# Altium PCB PCB.PcbDoc (part 2 of 3)
Units mil, origin at the board's own origin, x right, y up, seen from the top; angles counter-clockwise.
Board outline 13351.32 x 5672.75 mil, 2 copper layers (Top Layer, Bottom Layer); 207 components, 228 nets, 1294 pads, 403 vias.
Unrouted connection lines stored in the file: 75.
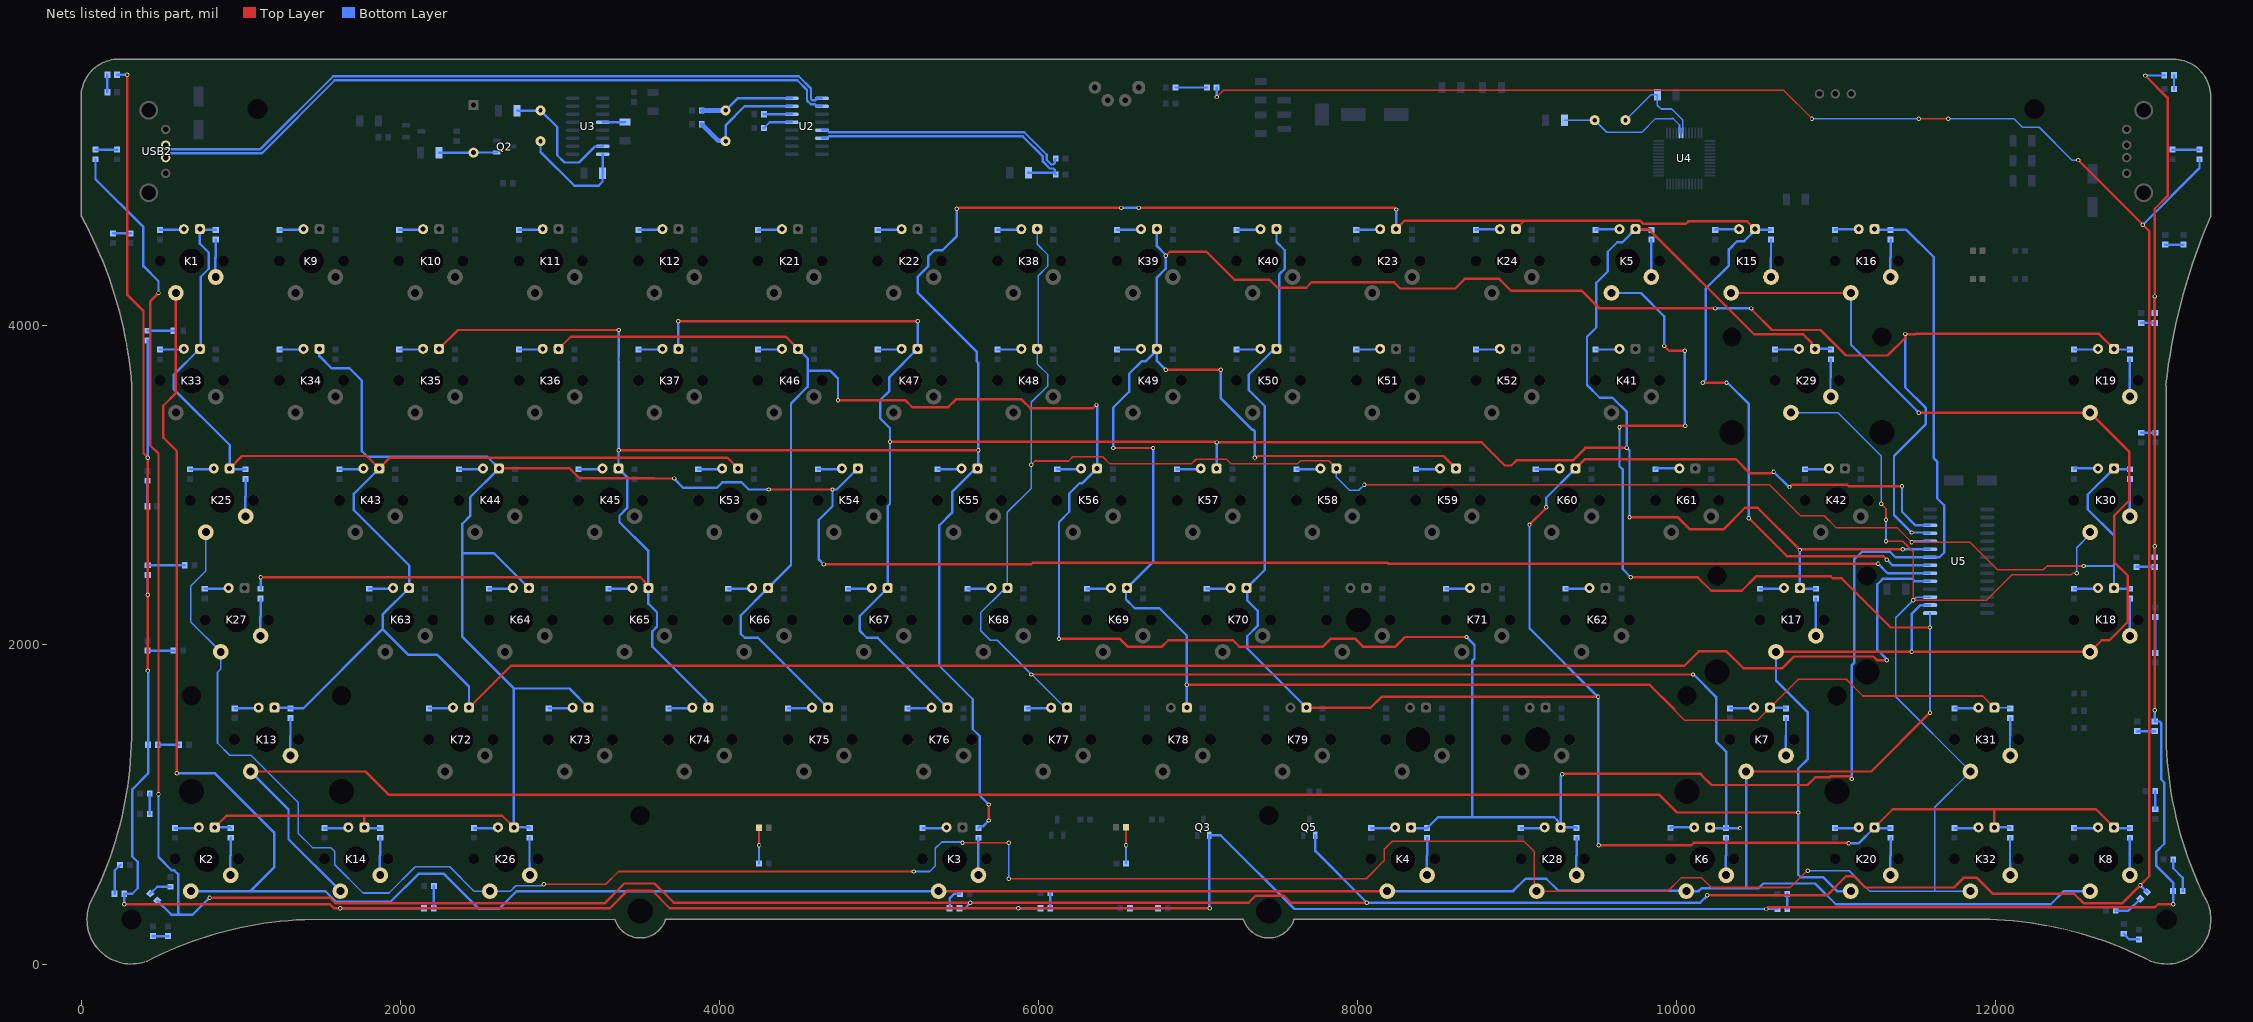
[diagram p2: the nets of this part, all layers, seen from the top]

## Via types
v1: diameter 27, hole 15, Top Layer to Bottom Layer, tented both sides, 230 vias
v2: diameter 27.56, hole 15.75, Top Layer to Bottom Layer, tented both sides, 163 vias
v3: diameter 50, hole 28, Top Layer to Bottom Layer, tented both sides, 10 vias

## Nets (pads, with @x,y where several pads share a name; then routed paths per layer and width w, separated by ;. In a path a pad name is that pad's centre, name@x,y a point inside that pad or via, vN(x,y) a via of type N, cw(c..) or ccw(c..) an arc to the next point about the centre after c; other vN are vias at no path point) (continued)
HUB2D_N: U2.1 USB2.2 | length 4421.3
  Bottom Layer w15: USB2.2@530,5133.74 533.94,5133.74 560.81,5106.87 1121.87,5106.87 1580,5565 4499.19,5565 4575.25,5488.94 4575.25,5423.31 4584.04,5414.53 4599.89,5414.53 4612.39,5427.03 U2.1@4644.49,5427.03
HUB2D_P: U2.2 USB2.3 | length 4421.3
  Bottom Layer w15: USB2.3@530,5055 533.94,5055 560.81,5081.87 1132.23,5081.87 1590.36,5540 4488.84,5540 4550.25,5478.59 4550.25,5412.96 4573.68,5389.53 4599.89,5389.53 4612.39,5377.03 U2.2@4644.49,5377.03
K1: K1.4 K2.4 K3.4 K4.4 K5.4 K6.4 K7.4 K8.4 U5.1 | length 23905.9
  Top Layer w15: K1.4@593.94,4206.94 593.94,3578.94 515,3500 515,3300 600,3215 v2(600,1195) ; K3.4@5375.13,456.96 K4.4@8187.69,456.96 ; v1(9643.95,3365) 9647.2,3365 9657.2,3375 v1(10055.59,3375) ; v1(9715,2425) 10133.95,2425 10218.95,2340 10410,2340 10500,2430 10968.25,2430 10980,2418.26 11036.75,2418.26 11345,2110 v1(11590,2110) ; v1(9925,3875) 9955,3845 v1(10053.64,3845) ; K7.4@10437.65,1206.96 11221.96,1206.96 v1(11590.87,1575.87)
  Bottom Layer w15: v2(600,1195) 840,1195 1210,825 1210,605 1061.96,456.96 ; K2.4@687.69,456.96 1061.96,456.96 ; K3.4@5375.13,456.96 2730.9,456.96 2618.94,345 2495,345 2275,565 2115,565 1940,390 1700,390 1699.75,390.25 1597.55,390.25 1530.84,456.96 1061.96,456.96 ; K4.4@8187.69,456.96 8976.96,456.96 9055,535 9185,535 9260,460 10059.65,460 K6.4@10062.69,456.96 10140.07,456.96 10158.11,475 10440,475 ; K5.4@9593.95,4206.94 9778.06,4206.94 9925,4060 v1(9925,3875) ; v1(9643.95,3365) 9643.95,3121.05 9665,3100 9665,2475 v1(9715,2425) ; v1(10053.64,3845) 10053.64,3376.96 v1(10055.59,3375) ; K7.4@10437.65,1206.96 10437.65,477.35 10440,475 ; v1(11590.87,1575.87) U5.1@11590.87,2200 ; K8.4@12593.95,456.96 12430,456.96 12348.04,375 11000,375 10870,505 10545,505 10515,475 10440,475
K2: K13.4 K14.4 K15.4 K16.4 K17.4 K18.4 K19.4 K20.4 U5.2 | length 19566.4
  Top Layer w15: K13.4@1062.69,1206.96 1783.04,1206.96 1930,1060 9895,1060 10005,950 v1(10765,950) ; K15.4@10343.95,4206.94 K16.4@11093.95,4206.94 ; K17.4@10625.17,1956.96 v1(11475,1956.96) K18.4@12593.95,1956.96 12666.99,2030 12715,2030 12830,2145 12830,2435 12745,2520 12745,2810 12840,2905 12840,3211.21 12831.21,3220 12830.91,3220 K19.4@12593.95,3456.96 v2(11520,3456.96)
  Bottom Layer w15: K13.4@1062.69,1206.96 1300,969.64 1300,782.15 K14.4@1625.19,456.96 ; K17.4@10625.17,1956.96 10625.17,1777.33 10825,1577.5 10825,1285 10765,1225 v1(10765,950) 10765,560 10780,545 10920,545 11008.04,456.96 K20.4@11093.95,456.96 ; K16.4@11093.95,4206.94 11095,4205.89 11095,3881.96 v2(11520,3456.96) ; v1(11475,1956.96) 11475,2195 11530,2250 U5.2@11590.87,2250
K3: K25.4 K26.4 K27.4 K28.4 K29.4 K30.4 K31.4 K32.4 U5.3 | length 19487.5
  Top Layer w10: v1(2900,500) 3288.94,500 3368.94,580 v1(5220,580) ; v1(5525,760) v1(5815,760) ; v1(5815,535) 8056.43,535 8170,648.57 8170,720 8220,770 9045,770 9110,705 9110,472.13 K28.4@9125.17,456.96 9946.96,456.96 10030,540 10160,540 10220,480 10715,480 10820,585 v1(10825,585) ; v1(11285,2885) 11315,2855 v1(11315,2785) ; v1(11315,2650) 11420,2650 11485,2585 v1(11485,2280) 11945,2280 12105,2440 12475,2440 12485,2450 v1(12510,2450)
  Bottom Layer w10: K25.4@781.44,2706.96 781.44,2463.75 687.69,2370 687.69,2144.46 K27.4@875.19,1956.96 875.19,1850.19 855,1830 855,1385 931.04,1308.96 1065,1308.96 1360,1013.96 1360,820 1450,730 1565,730 1590,705 1590,622.55 1767.55,445 1930,445 2095,610 2310,610 2463.04,456.96 K26.4@2562.69,456.96 2691.96,456.96 2725,490 2884.14,490 2890,495.86 2891.26,495.86 2895.4,500 v1(2900,500) ; v1(5220,580) 5320,580 5355,615 5355,725 5395,765 5520,765 v1(5525,760) ; v1(5815,535) v1(5815,760) ; K29.4@10718.95,3456.96 11013.04,3456.96 11285,3185 v1(11285,2885) ; v1(10825,585) 11085,585 11215,455 11620,455 ; v1(11315,2650) v1(11315,2785) ; U5.3@11590.87,2300 11505,2300 v1(11485,2280) 11375,2170 11375,1675.91 K31.4@11843.95,1206.96 11620,983 11620,455 ; K32.4@11843.95,456.96 11841.99,455 11620,455 ; v1(12510,2450) 12510,2610 12593.95,2693.95 K30.4@12593.95,2706.96
KEYBOARD_N: R11.2 U2.5 | length 1601.9
  Bottom Layer w15: U2.5@4644.49,5227.03 4676.58,5227.03 4689.08,5214.53 5912.83,5214.53 6053.88,5073.48 6053.88,5040.78 6082.16,5012.5 6094.59,5012.5 6103.37,5021.29 6103.37,5043.69 R11.2@6109.68,5050
KEYBOARD_P: R9.1 R10.2 U2.6 | length 1768.1
  Bottom Layer w15: U2.6@4644.49,5177.03 4676.58,5177.03 4689.08,5189.53 5902.48,5189.53 6028.88,5063.13 6028.88,5030.43 6071.8,4987.5 6094.59,4987.5 6103.37,4978.71 R10.2@6103.37,4956.31 ; R9.1@5938.66,4960 6099.68,4960 R10.2@6103.37,4956.31 ; R10.2@6109.68,4950 R10.2@6103.37,4956.31
KS1: K1.1 K1.3 K13.1 K13.3 K25.1 K25.3 K33.1 K43.1 K53.1 K63.1 K72.1 U5.5 | length 18236.5
  Top Layer w15: K25.1@931.44,3106.96 1009.48,3185 1790.89,3185 K43.1@1868.94,3106.96 1936.98,3175 4050.89,3175 K53.1@4118.94,3106.96 ; K72.1@2431.44,1606.96 2694.48,1870 10050.55,1870 10140.55,1960 10315,1960 10420,1855 10665,1855 10737.96,1927.96 11234.94,1927.96 11257.89,1905 v1(11320,1905)
  Bottom Layer w15: K1.3@843.93,4602.26 748.62,4602.26 K1.1@743.94,4606.94 743.94,4516.06 800,4460 800,4358.94 750,4308.94 750,3863.02 K33.1@743.94,3856.96 579.37,3692.39 579.37,3605.63 931.44,3253.56 K25.1@931.44,3106.96 936.12,3102.27 K25.3@1031.43,3102.27 ; K13.1@1212.69,1606.96 1308,1606.96 K13.3@1312.68,1602.27 1392.27,1602.27 1890,2100 ; K43.1@1868.94,3106.96 1710,2948.02 1710,2845 2056.44,2498.56 K63.1@2056.44,2356.96 1890,2190.52 1890,2100 ; K72.1@2431.44,1606.96 2431.44,1740 2231.44,1940 2050,1940 1890,2100 ; v1(11320,1905) 11320,1908.25 11314,1914.25 11314,1916 11260,1970 11260,2380 11295,2415 11480,2415 11495,2400 U5.5@11590.87,2400
KS2: K2.1 K2.3 K14.1 K14.3 K26.1 K26.3 K34.1 K44.1 K54.1 K64.1 K73.1 U5.6 | length 17419.7
  Top Layer w15: K2.1@837.69,856.96 910.73,930 1775,930 ; K14.1@1770.72,856.96 K14.1@1775.19,856.96 1775.19,929.81 1775,930 ; K44.1@2618.94,3106.96 3063.04,3106.96 3125,3045 3592.76,3045 3593.72,3044.04 v2(3719.04,3044.04) ; K26.1@2712.69,856.96 2639.65,930 1775,930 ; v1(4310.31,2975) v1(4710,2975) ; v1(4655,2505) 5955,2505 5966,2516 8188.84,2516 8194.84,2510 v1(11265,2510)
  Bottom Layer w15: K2.1@837.69,856.96 933,856.96 K2.3@937.68,852.28 ; K34.1@1493.94,3856.96 1493.94,3811.06 1570,3735 1681.96,3735 1760,3656.96 1760,3215 1795,3180 2545.89,3180 K44.1@2618.94,3106.96 2438.49,2926.51 2438.49,2808.49 2390,2760 2390,2575 ; K14.1@1775.19,856.96 1779.87,852.28 K14.3@1875.18,852.28 ; K64.1@2806.44,2356.96 2588.39,2575 2390,2575 ; K26.3@2812.69,852.28 2808,856.96 K26.1@2712.69,856.96 2712.69,1727.31 ; K73.1@3181.44,1606.96 3061.08,1727.31 2712.69,1727.31 ; v2(3719.04,3044.04) 3719.04,3040.96 3775,2985 3985,2985 4020,3020 4140,3020 4185,2975 v1(4310.31,2975) ; v1(4655,2505) 4625,2535 4625,2785 4710,2870 v1(4710,2975) 4736.99,2975 K54.1@4868.95,3106.96 ; v1(11265,2510) 11325,2450 U5.6@11590.87,2450 ; 2390,2575 2390,2050 2712.69,1727.31
KS3: K3.3 K15.1 K15.3 K23.1 K24.1 K27.3 K35.1 K45.1 K55.1 K65.1 K74.1 U5.7 | length 21897.4
  Top Layer w15: v1(1125,2425) 3505.13,2425 3537.53,2392.6 3537.53,2375.86 K65.1@3556.44,2356.96 ; K35.1@2243.94,3856.96 2361.98,3975 v1(3370,3975) ; v1(3370,3220) v1(5625,3220) ; v1(5490,4735) 5492.3,4737.3 5500.78,4737.3 5503.49,4740 v1(6520,4740) ; v1(5690,900) v1(5690,1000) ; v1(6630,4740) 8231.75,4740 8241.75,4730 v1(8245,4730) ; K23.1@8243.95,4606.94 8297.01,4660 9047.01,4660 ; K24.1@8993.95,4606.94 9047.01,4660 ; v1(10165,3645) v1(10315,3645) ; v1(10455,2795) 10455,2794.14 10693.07,2556.06 11298.94,2556.06 v1(11320,2535) ; K15.1@10493.95,4606.94 10444.95,4655.94 10075.63,4655.94 10059.69,4640 9795,4640 9775,4660 9047.01,4660
  Bottom Layer w15: v1(1125,2425) 1125,2352.46 K27.3@1125.18,2352.27 ; v1(3370,3975) 3370,3807.16 3368.72,3805.88 3368.72,3778.69 3370,3777.41 v1(3370,3220) 3368.94,3218.94 K45.1@3368.94,3106.96 3422.95,3052.95 3422.95,2857.95 3375,2810 3375,2770 3556.44,2588.56 K65.1@3556.44,2356.96 3556.44,2258.56 3610,2205 3610,2115 3580,2085 3580,1990 3919.45,1650.55 3919.45,1618.95 K74.1@3931.44,1606.96 ; v1(5490,4735) 5490,4565 5400,4475 5350,4475 5310,4435 5310,4373.57 5243.87,4307.44 5243.87,4210 5613.72,3840.15 5613.72,3778.69 5625,3767.41 v1(5625,3220) 5625,3113.01 K55.1@5618.95,3106.96 5600.05,3088.05 5588.05,3088.05 5460,2960 5460,2830 5380,2750 5380,1870 5590,1660 5590,1471.93 5633.43,1428.49 5633.43,1056.57 v1(5690,1000) ; K3.3@5625.13,852.28 5635.94,863.08 5653.08,863.08 v1(5690,900) ; v1(6520,4740) v1(6630,4740) ; K23.1@8243.95,4606.94 8245,4607.99 v1(8245,4730) ; v1(10165,3645) 10185,3665 10185,4235 10330,4380 10330,4480 10380.82,4530.82 10425,4530.82 10469.95,4575.78 10469.95,4578.48 10493.95,4602.48 K15.1@10493.95,4606.94 10498.63,4602.26 K15.3@10593.95,4602.26 ; v1(10315,3645) 10318.25,3645 10324.25,3639 10326,3639 10455,3510 v1(10455,2795) ; v1(11320,2535) 11355,2500 U5.7@11590.87,2500
KS4: K4.1 K4.3 K16.1 K16.3 K28.1 K28.3 K36.1 K46.1 K56.1 K66.1 K75.1 U5.8 | length 19371.8
  Top Layer w15: K36.1@2993.94,3856.96 3068.94,3931.96 4418.88,3931.96 K46.1@4493.88,3856.96 ; v1(4745,3535) 5165,3535 5210,3490 5435,3490 5485,3540 5895,3540 5950,3485 6345,3485 v1(6365,3505) ; v1(6130,2040) 6510,2040 6560,1990 6775,1990 6815,2030 7220,2030 7260,1990 7785,1990 7835,2040 7985,2040 8035,1990 8240,1990 8300,2050 v1(8685,2050) ; v1(9285,1190) 9288.25,1190 9292.12,1193.88 10151.21,1193.88 10160,1185.09 10160,1182 10220,1122 10823.52,1122 10871.51,1170 10959.93,1170 10967.89,1177.96 11082.04,1177.96 v1(11100,1160)
  Bottom Layer w15: K46.1@4493.88,3856.96 4555,3795.84 4555,3720 ; K75.1@4681.44,1606.96 4243.39,2045 4160,2045 4135,2070 4135,2185.52 K66.1@4306.44,2356.96 4450,2500.52 4450,3515 4555,3620 4555,3720 ; v1(4745,3535) 4745,3670 4695,3720 4555,3720 ; v1(6130,2040) 6130,2770 6195,2835 6195,2950 6260,3015 6276.99,3015 K56.1@6368.95,3106.96 6368.95,3497.8 6365,3501.75 v1(6365,3505) ; K4.1@8337.69,856.96 8342.37,852.28 K4.3@8437.69,852.28 8438.67,852.28 8449.48,863.08 8449.48,864.07 8505.41,920 8720,920 ; v1(8685,2050) 8735,2000 8735,1915 8720,1900 8720,920 ; v1(9285,1190) 9285,1186.75 9275.17,1176.92 K28.1@9275.17,856.96 ; K28.3@9375.17,852.28 9370.48,856.96 K28.1@9275.17,856.96 ; v1(11100,1160) 11099.17,1160.83 11099.17,1871.72 11115,1887.55 11115,2535 11165,2585 11340,2585 11375,2550 U5.8@11590.87,2550 11650,2550 11680,2580 11680,2875 11635,2920 11635,3150 11615,3170 11615,4430.48 11443.22,4602.26 K16.3@11343.95,4602.26 11248.63,4602.26 K16.1@11243.95,4606.94 ; 8720,920 9235,920 9258.81,896.19 9258.81,873.32 K28.1@9275.17,856.96
KS5: K5.1 K5.3 K17.1 K17.3 K29.1 K29.3 K37.1 K47.1 K57.1 K67.1 K76.1 U5.9 | length 15641.1
  Top Layer w15: v1(3743.94,4030) v1(5245,4030) ; v1(5070.95,3275) 7110.41,3275 7115.41,3270 v1(7118.66,3270) 8780,3270 8925,3125 8965,3125 8997.3,3157.3 9352.3,3157.3 9430.38,3235.38 v1(9690,3235.38) ; v1(9706.43,2800) 10010.55,2800 10085.55,2725 10295,2725 10430,2860 10510.17,2860 v1(10775.17,2595) 10778.42,2595 10783.42,2600 v1(11420,2600) ; K5.1@9743.95,4606.94 9830,4606.94 9830,4605 10486.91,3948.09 10795,3948.09 10850.05,3893.04 10850.05,3875.86 K29.1@10868.95,3856.96
  Bottom Layer w15: K37.1@3743.94,3856.96 v1(3743.94,4030) ; v1(5245,4030) 5245,3858.08 K47.1@5243.87,3856.96 5066.92,3680 5065,3680 5065,3590 5010,3535 5010,3420 5070.95,3359.05 v1(5070.95,3275) 5070.95,2885.42 5056.43,2870.9 K67.1@5056.43,2356.96 4880,2180.53 4880,2090 4925,2045 4993.39,2045 K76.1@5431.43,1606.96 ; v1(7118.66,3270) 7118.66,3107.24 K57.1@7118.95,3106.96 ; v1(9706.43,2800) 9706.43,3218.95 v1(9690,3235.38) 9690,3459.64 9599.82,3549.82 9520.18,3549.82 9440,3630 9440,3932.31 9498.64,3990.95 9498.64,4270 9570,4341.36 9570,4465 9630,4525 9662.01,4525 K5.1@9743.95,4606.94 9748.63,4602.26 K5.3@9843.95,4602.26 ; v1(10775.17,2595) K17.1@10775.17,2356.96 10779.86,2352.27 K17.3@10875.17,2352.27 ; K29.1@10868.95,3856.96 10964.26,3856.96 K29.3@10968.95,3852.27 ; v1(11420,2600) U5.9@11590.87,2600
KS6: K6.1 K6.3 K18.1 K18.3 K30.1 K30.3 K38.1 K48.1 K58.1 K68.1 K77.1 U5.10 | length 17334.3
  Top Layer w10: v1(5956.43,3130) 5979.88,3153.45 6190,3153.45 6216.55,3180 6405,3180 6450,3135 6960,3135 6990,3165 7180,3165 7210,3135 7623.95,3135 7643.95,3155 7820.91,3155 K58.1@7868.95,3106.96 ; v1(8045,3005) 10583.95,3005 10778.95,2810 10927.59,2810 11001.46,2736.13 11383.87,2736.13 v1(11475,2645) 11840,2645 12013.78,2471.22 12301.22,2471.22 12325,2495 v1(12555.31,2495)
  Top Layer w15: v1(5956.43,1815) v1(10105,1815)
  Bottom Layer w10: K38.1@5993.95,4606.94 5993.95,4511.91 6060.86,4445 6060.86,4375.86 6000,4315 6000,3863.01 K48.1@5993.95,3856.96 5993.95,3762.02 6060.86,3695.11 6060.86,3625.86 5956.43,3521.43 v1(5956.43,3130) 5956.43,2981.43 5806.43,2831.43 K68.1@5806.43,2356.96 5786.57,2337.09 5773.84,2337.09 5640,2203.26 5640,2090 5700,2030 5743.95,2030 6147.13,1626.82 6161.57,1626.82 K77.1@6181.43,1606.96 ; K58.1@7868.95,3106.96 7868.95,3052.79 7951.74,2970 8010,2970 v1(8045,3005)
  Bottom Layer w15: v1(10105,1815) 10110,1815 10250,1675 10250,1395 10312.69,1332.31 K6.3@10312.69,852.28 ; K6.1@10212.69,856.96 10217.37,852.28 K6.3@10312.69,852.28 ; v1(10400,852.28) K6.3@10312.69,852.28 ; v1(11475,2645) 11478.25,2645 11483.25,2650 U5.10@11590.87,2650 ; v1(12555.31,2495) 12743.95,2495 ; K18.3@12843.95,2352.27 12748.63,2352.27 K18.1@12743.95,2356.96 12743.95,2495 ; K30.3@12843.95,3102.27 12748.63,3102.27 K30.1@12743.95,3106.96 12580,2943.01 12580,2850 12743.95,2686.05 12743.95,2495
KS7: K7.1 K7.3 K19.1 K19.3 K31.1 K31.3 K39.1 K49.1 K59.1 K69.1 K78.1 U5.11 | length 19790
  Top Layer w10: 9988.87,1595 9988.87,1590.99 10050.55,1529.3 10510,1529.3 K7.1@10587.65,1606.96 10765.7,1785 11065,1785 11170,1680 11920.91,1680 K31.1@11993.95,1606.96
  Top Layer w15: v1(6470,3234.86) 6470.14,3235 v1(6720,3235) ; v1(6800,3725) v1(7145,3725) ; v1(6800,4440) 6825,4465 7055,4465 7230,4290 7450,4290 7500,4240 7680,4240 7715,4275 7970,4275 7971.34,4273.66 8231.34,4273.66 8270,4235 8613.95,4235 8673.95,4295 8890,4295 8965,4220 9408.13,4220 9518.13,4110 v1(10245,4110) ; v1(6931.43,1750) 9833.87,1750 9988.87,1595 ; v1(7358.25,3175) 7358.25,3165 7378.25,3185 8540.91,3185 K59.1@8618.95,3106.96 ; v1(10470,4110) 10470,4106.75 10476,4100.75 10476,4099 10600,3975 10905,3975 11065,3815 11325,3815 11435,3925 v1(11435,3950) 11436.91,3948.09 11500,3948.09 11501.91,3950 12650.91,3950 K19.1@12743.95,3856.96
  Bottom Layer w10: K31.1@11993.95,1606.96 12089.26,1606.96 K31.3@12093.95,1602.27
  Bottom Layer w15: v1(6470,3234.86) 6470,3488.05 6570,3588.05 6570,3700 6650,3780 6675,3780 6720.16,3825.16 6720.16,3828.7 K49.1@6743.95,3852.49 ; v1(6720,3235) 6720,2520.53 K69.1@6556.43,2356.96 6550.31,2350.84 6550.31,2285 6605.31,2230 6760,2230 6931.43,2058.57 v1(6931.43,1750) K78.1@6931.43,1606.96 ; K39.1@6743.95,4606.94 6743.95,4500.73 v1@6799.68,4445 ; v1@6799.68,4440 6799.68,4359.68 6743.95,4303.95 K49.1@6743.95,3856.96 K49.1@6743.95,3852.49 ; v1(6800,3725) 6743.95,3781.05 K49.1@6743.95,3852.49 ; v1(7145,3725) 7145,3545 7340,3350 7346.21,3350 7358.25,3337.97 v1(7358.25,3175) ; v1(10245,4110) v1(10470,4110) ; K7.1@10587.65,1606.96 10682.97,1606.96 K7.3@10687.65,1602.27 ; v1(11435,3950) 11435,3615 11565,3485 11565,3385 11365,3185 11365,2815 v1(11475,2705) 11550.07,2705 11555.07,2700 U5.11@11590.87,2700 ; K19.1@12743.95,3856.96 12748.63,3852.27 K19.3@12843.95,3852.27
KS8: K8.1 K8.3 K20.1 K20.3 K32.1 K32.3 K40.1 K50.1 K60.1 K70.1 K79.1 U5.12 | length 14262.6
  Top Layer w15: K79.1@7681.43,1606.96 8084.06,1606.96 8152.1,1675 v1(9509.75,1675) ; v1(9080,2755) 9182.7,2857.7 9182.7,2861.82 v1(9185,2864.11) ; K60.1@9368.95,3106.96 9427.26,3165.27 10372.53,3165.27 10460,3077.8 10485.32,3077.8 10487.16,3075.96 10596.33,3075.96 10606.75,3086.38 v1(10610,3086.38) ; v1(9513.13,745) 10095,745 10110,760 11067.75,760 11069.22,758.53 11077.7,758.53 v1(11080,756.23) ; v1(10710,2990) 10711.33,2990 10724.79,3003.46 11071.54,3003.46 11080,2995 v1(11415,2995) ; K20.1@11243.95,856.96 11356.99,970 11990,970 ; K32.1@11993.95,856.96 11993.95,966.05 11990,970 ; K8.1@12743.95,856.96 12630.91,970 11990,970
  Bottom Layer w15: K40.1@7493.95,4606.94 7493.95,4526.05 7545,4475 7545,4357.5 7510,4322.5 7510,3873.01 K50.1@7493.95,3856.96 7475.05,3838.05 7463.05,3838.05 7320,3695 7320,3598.05 7420,3498.05 7420,2470.53 K70.1@7306.43,2356.96 7310,2353.39 7310,2280 7375,2215 7375,2120 7310,2055 7310,1978.39 K79.1@7681.43,1606.96 ; v1(9080,2755) 9080,2104.75 v1(9509.75,1675) 9509.75,751.63 9513.13,748.25 v1(9513.13,745) ; v1(9185,2864.11) 9185,2923.01 K60.1@9368.95,3106.96 ; v1(10610,3086.38) 10706.38,2990 v1(10710,2990) ; v1(11080,756.23) 11143.22,756.23 K20.1@11243.95,856.96 11248.64,852.28 K20.3@11343.95,852.28 ; v1(11415,2995) 11415,2835 11500,2750 U5.12@11590.87,2750 ; K32.1@11993.95,856.96 12089.26,856.96 K32.3@12093.95,852.28 ; K8.1@12743.95,856.96 12748.63,852.28 K8.3@12843.95,852.28
NetC9_1: C9.1 U2.13 | length 191.1
  Bottom Layer w15: C9.1@4280.31,5240 4280.31,5240.98 4291.12,5251.79 4292.11,5251.79 4317.34,5277.03 U2.13@4455.51,5277.03
NetC10_1: C10.1 U2.14 | length 175.2
  Bottom Layer w15: C10.1@4280.31,5327.03 U2.14@4455.51,5327.03
NetC11_1: C11.1 U3.4 | length 141.2
  Bottom Layer w15: U3.4@3269.49,5277.03 3408.37,5277.03 C11.1@3410,5278.66
NetC12_1: C12.1 U2.15 Y1.1 | length 758.5
  Bottom Layer w15: Y1.1@4040,5158.54 4040,5257.72 4159.31,5377.03 U2.15@4455.51,5377.03
  Bottom Layer w30: C12.1@3890.31,5265 3890.31,5264.02 3893.62,5260.71 3894.61,5260.71 3994.29,5161.02 4037.52,5161.02 Y1.1@4040,5158.54
NetC14_1: C14.1 U3.7 Y2.2 | length 817.3
  Bottom Layer w15: C14.1@2733.66,5350 2878.54,5350 Y2.2@2880,5351.46 2985,5246.46 2985,5070 3030,5025 3121.44,5025 3221.82,5125.38 3267.84,5125.38 U3.7@3269.49,5127.03
NetC15_1: C15.1 U2.16 Y1.2 | length 597.1
  Bottom Layer w15: Y1.2@4040,5351.46 4115.57,5427.03 U2.16@4455.51,5427.03
  Bottom Layer w30: C15.1@3890.31,5350 4038.54,5350 Y1.2@4040,5351.46
NetC16_1: C16.1 U3.8 Y2.1 | length 727.3
  Bottom Layer w15: Y2.1@2879.76,5158.31 Y2.1@2880,5158.54 2880,5091.22 3091.22,4880 3245,4880 3268.66,4903.66 C16.1@3268.66,4956.57 3269.49,4957.4 U3.8@3269.49,5077.03
NetC17_2: C17.2 U4.5 Y3.1 | length 854.4
  Bottom Layer w10: C17.2@9298.66,5290 Y3.1@9488.54,5290 9563.84,5214.71 9784.71,5214.71 9870,5300 9970,5300 9970.86,5300.86 9979.14,5300.86 10020.32,5259.68 U4.5@10020.32,5210.87
NetC21_2: C21.2 U4.6 Y3.2 | length 609.9
  Bottom Layer w10: Y3.2@9681.46,5290 9841.46,5450 C21.2@9881.34,5450 9881.34,5383.66 9905,5360 9971.34,5360 10040,5291.34 U4.6@10040,5210.87
NetD1_2: D1.2 Q2.1 R5.2 | length 362.7
  Bottom Layer w15: R5.2@2243.66,5086.22 D1.2@2460,5086.22 2461.38,5087.6 Q2.1@2605.79,5087.6
NetD2_K: D2.K R12.1 | length 224.4
  Top Layer w15: v2(4249.69,745) D2.K@4249.69,854.38
  Bottom Layer w15: R12.1@4249.69,630 v2(4249.69,745)
NetD3_K: D3.K R13.1 | length 227.9
  Top Layer w15: D3.K@6549.27,857.42 6550.31,856.37 v2(6550.31,745)
  Bottom Layer w15: R13.1@6550.31,630 v2(6550.31,745)
NetD4_A: D4.A D5.A D6.A D7.A D8.A D9.A D10.A D11.A D12.A D13.A D14.A D15.A D16.A Q3.1 | length 26334.9
  Top Layer w15: v2(270.31,375) 1560,375 1585,350 v2(1625,350) 3315,350 3425,460 3580,460 3690,350 v2(5875,350) v2(7075,350) ; v2(290,5575) 290,4195 391.14,4093.86 391.14,3201.89 v2(418.03,3175) 418.03,2319.49 415.79,2317.24 v2(418.03,2315) v2(418.03,1840) ; v2(10565,345) 10576.12,356.12 12543.53,356.12 12544.64,355 13000,355 13020,375 v2(13115.31,375) ; v2(12940,5570) 13080,5430 13080,4815 13000,4735 v2(13000,4185) v2(13000,2620) v2(13000,1590)
  Bottom Layer w15: D13.A@225.31,5575 v2(290,5575) ; v2(270.31,375) D16.A@270.31,440.74 320.74,440.74 355,475 355,640 320,675 320,1095 419.69,1194.68 D4.A@419.69,1375 419.69,1838.35 v2(418.03,1840) ; v2@415.79,3175 418.03,3177.24 D12.A@418.03,3909.68 ; v2(418.03,2315) D11.A@418.03,2439.68 ; v2(1625,350) D10.A@2149.68,350 ; v2(5875,350) D8.A@6014.69,350 ; v2(7075,350) 7075,353.4 7072.4,356 Q3.1@7072.4,807.75 7143.69,807.75 7606.44,345 v2(10565,345) D9.A@10634.68,345 ; v2(12940,5570) 13057.4,5570 D7.A@13059.37,5571.97 ; v2(13000,1590) D15.A@13000,1520.63 13030,1520.63 13040,1510.63 13040,1157.62 13059.37,1138.25 13059.37,754.37 13010,705 13010,615 13114.68,510.31 D14.A@13114.68,456.96 13114.68,375.63 v2(13115.31,375) ; D5.A@13000,2550.32 v2(13000,2620) ; D6.A@13000,4080.32 v2(13000,4185)
NetD4_K: D4.K R14.1 | length 134.4
  Bottom Layer w15: D4.K@480.31,1375 R14.1@614.69,1375
NetD5_K: D5.K R15.1 | length 115
  Bottom Layer w15: R15.1@12885,2489.69 D5.K@13000,2489.68
NetD6_K: D6.K R16.1 | length 85
  Bottom Layer w15: R16.1@12915,4019.69 D6.K@13000,4019.68
NetD7_K: D7.K R17.1 | length 87.1
  Bottom Layer w15: D7.K@13120,5571.97 13120,5485.31 R17.1@13120.31,5485
NetD8_K: D8.K R18.1 | length 95
  Bottom Layer w15: D8.K@6075.31,350 R18.1@6075.31,445
NetD9_K: D9.K R19.1 | length 95
  Bottom Layer w15: D9.K@10695.32,345 R19.1@10695.31,440
NetD10_K: D10.K R20.1 | length 140.6
  Bottom Layer w15: D10.K@2210.32,350 2211.75,351.44 R20.1@2211.75,490
NetD11_K: D11.K R21.1 | length 231.8
  Bottom Layer w15: D11.K@418.03,2500.32 649.37,2500.32 R21.1@649.69,2500
NetD12_K: D12.K R22.1 | length 161.8
  Bottom Layer w15: D12.K@418.03,3970.32 579.37,3970.32 R22.1@579.69,3970
NetD13_K: D13.K R23.1 | length 110
  Bottom Layer w15: R23.1@164.69,5465 D13.K@164.69,5575
NetD14_K: D14.K R24.1 | length 222.9
  Bottom Layer w15: R24.1@13115.31,655 13115.31,600 13175.32,540 D14.K@13175.32,456.96
NetD15_K: D15.K R25.1 | length 110
  Bottom Layer w15: R25.1@12890,1460 D15.K@13000,1460
NetD16_K: D16.K R26.1 | length 194.3
  Bottom Layer w15: D16.K@209.69,440.74 209.69,585 232.89,608.21 233.88,608.21 244.69,619.02 R26.1@244.69,620
NetD17_K: D17.K R30.1 | length 90
  Bottom Layer w15: R30.1@12915,3330.31 D17.K@13005,3330.32
NetD18_K: D18.K R31.1 | length 95
  Bottom Layer w15: D18.K@450,174.69 R31.1@545,174.69
NetD19_K: D19.K R32.1 | length 224.4
  Bottom Layer w15: D19.K@13003.03,1950.32 R32.1@13003.03,2174.69
NetD20_K: D20.K R33.1 | length 115
  Bottom Layer w15: R33.1@13002.24,1085 13002.24,971.1 D20.K@13003.03,970.32
NetD21_K: D21.K R34.1 | length 164.7
  Bottom Layer w15: D21.K@415,1964.68 R34.1@579.69,1964.68
NetD22_K: D22.K R35.1 | length 110
  Bottom Layer w15: D22.K@200,4580.31 R35.1@310,4580.31
NetD23_K: D23.K R36.1 | length 160
  Bottom Layer w15: D23.K@415,3029.68 415,2870.79 R36.1@415.79,2870
NetD24_K: D24.K R37.1 | length 115
  Bottom Layer w15: R37.1@13065,4509.69 D24.K@13180,4509.69
NetD25_A: D25.A R46.1 | length 197.7
  Bottom Layer w15: R46.1@6860.31,5495 D25.A@7058.03,5495
NetD25_K: D25.K D30.K D31.K D32.K D33.K D34.K Q5.1 | length 29578.5
  Top Layer w10: v1(7118.95,5435) 7161.74,5477.79 10672.53,5477.79 v1(10850.32,5300) ; v1(11520,5300) v1(11705,5300)
  Top Layer w15: v2(485,1065) 485,3200 432.5,3252.5 432.5,4154.44 v2(485,4206.94) ; v2(805,415) 1560,415 1593.72,381.28 1637.96,381.28 1639.24,380 3280,380 3405,505 3595,505 3715,385 v2(5575,385) 7319.45,385 7362.41,427.96 7540,427.96 7582.96,385 v2(8060,385) ; v2(10195,430) 10945,430 11065,550 11115,550 11185,480 11740,480 11800,540 11885,540 11985,440 12495,440 12555,380 12795,380 v2(12910,495) 12965,550 12965,4595 v2(12925,4635) v1(12520,5040)
  Bottom Layer w10: v1(10850.32,5300) v1(11520,5300) ; v1(11705,5300) 12115,5300 12170,5245 12275,5245 12480,5040 v1(12520,5040)
  Bottom Layer w15: D30.K@90,5044.69 90,4920 390,4620 390,4375 485,4280 v2(485,4206.94) ; D32.K@476.44,398.56 565,310 620,310 ; v2(485,1065) 485,670 566.94,588.06 582.52,588.06 610,560.58 610,320 620,310 ; v2(805,415) 700,310 620,310 ; D34.K@5505.45,350 5540,350 v2(5575,385) ; D25.K@7118.66,5495 7118.66,5435.29 v1(7118.95,5435) ; Q5.1@7737.4,807.75 7737.4,707.6 v2(8060,385) 10150,385 v2(10195,430) ; v2(12910,495) 12910,492.87 D33.K@12951.44,451.44 ; v2(12925,4635) 13280,4990 D31.K@13280,5044.69
NetD26_K: D26.K R38.1 | length 175.8
  Bottom Layer w15: D26.K@6575.31,350 R38.1@6751.12,350
NetD27_K: D27.K R39.1 | length 130
  Bottom Layer w15: D27.K@430.31,940 R39.1@430.31,1070
NetD28_K: D28.K R40.1 | length 110.1
  Bottom Layer w15: R40.1@12805,189.69 12805.98,189.69 12816.79,178.88 12816.79,177.89 12840,154.69 D28.K@12900,154.69
NetD30_A: D30.A R41.1 | length 135.3
  Bottom Layer w15: D30.A@90,5105.31 R41.1@225.35,5105.31
NetD31_A: D31.A R42.1 | length 170
  Bottom Layer w15: R42.1@13110,5105.31 D31.A@13280,5105.31
NetD32_A: D32.A R43.1 | length 144.4
  Bottom Layer w15: D32.A@433.56,441.44 476.81,484.69 R43.1@560,484.69
NetD33_A: D33.A R44.1 | length 183.7
  Bottom Layer w15: R44.1@12755.31,335 12835,335 D33.A@12908.56,408.56
NetD34_A: D34.A R45.1 | length 139.1
  Bottom Layer w15: D34.A@5444.82,350 5444.82,411.12 5475.13,441.44 5508.25,441.44 R45.1@5509.69,440
NetK1_5: K1.5 K1.6 | length 236.3
  Bottom Layer w15: K1.5@843.94,4306.94 841.94,4308.94 841.94,4428.48 843.93,4430.48 K1.6@843.93,4541.63
NetK1_7: K1.7 K1.8 | length 151.9
  Bottom Layer w15: K1.7@493.94,4602.26 639.25,4602.26 K1.8@643.94,4606.94
NetK2_5: K2.5 K2.6 | length 236.3
  Bottom Layer w15: K2.5@937.69,556.96 935.69,558.96 935.69,678.5 937.68,680.5 K2.6@937.68,791.65
NetK2_7: K2.7 K2.8 | length 151.9
  Bottom Layer w15: K2.7@587.69,852.27 733,852.27 K2.8@737.69,856.96
NetK3_5: K3.5 K3.6 | length 236.3
  Bottom Layer w15: K3.5@5625.13,556.96 5623.13,558.96 5623.13,678.5 5625.13,680.5 K3.6@5625.13,791.65
NetK3_7: K3.7 K3.8 | length 151.9
  Bottom Layer w15: K3.7@5275.13,852.27 5420.45,852.27 K3.8@5425.13,856.96
NetK4_5: K4.5 K4.6 | length 236.3
  Bottom Layer w15: K4.5@8437.69,556.96 8435.69,558.96 8435.69,678.5 8437.69,680.5 K4.6@8437.69,791.65
NetK4_7: K4.7 K4.8 | length 151.9
  Bottom Layer w15: K4.7@8087.69,852.27 8233,852.27 K4.8@8237.69,856.96
NetK5_5: K5.5 K5.6 | length 236.3
  Bottom Layer w15: K5.5@9843.95,4306.94 9841.95,4308.94 9841.95,4428.48 9843.95,4430.48 K5.6@9843.95,4541.63
NetK5_7: K5.7 K5.8 | length 151.9
  Bottom Layer w15: K5.7@9493.95,4602.26 9498.64,4606.94 K5.8@9643.95,4606.94
NetK6_5: K6.5 K6.6 | length 236.3
  Bottom Layer w15: K6.5@10312.69,556.96 10310.69,558.96 10310.69,678.5 10312.69,680.5 K6.6@10312.69,791.65
NetK6_7: K6.7 K6.8 | length 151.9
  Bottom Layer w15: K6.7@9962.69,852.27 9967.38,856.96 K6.8@10112.69,856.96
NetK7_5: K7.5 K7.6 | length 236.3
  Bottom Layer w15: K7.5@10687.65,1306.96 10685.65,1308.96 10685.65,1428.49 10687.65,1430.49 K7.6@10687.65,1541.64
NetK7_7: K7.7 K7.8 | length 151.9
  Bottom Layer w15: K7.7@10337.65,1602.27 10482.97,1602.27 K7.8@10487.65,1606.96
NetK8_5: K8.5 K8.6 | length 236.3
  Bottom Layer w15: K8.5@12843.95,556.96 12843.95,633.42 12841.95,635.42 12841.95,789.65 K8.6@12843.95,791.65
NetK8_7: K8.7 K8.8 | length 151.9
  Bottom Layer w15: K8.7@12493.95,852.27 12639.26,852.27 K8.8@12643.95,856.96
NetK9_7: K9.7 K9.8 | length 151.9
  Bottom Layer w15: K9.7@1243.94,4602.26 1389.25,4602.26 K9.8@1393.94,4606.94
NetK10_7: K10.7 K10.8 | length 151.9
  Bottom Layer w15: K10.7@1993.94,4602.26 2139.25,4602.26 K10.8@2143.94,4606.94
NetK11_7: K11.7 K11.8 | length 151.9
  Bottom Layer w15: K11.7@2743.94,4602.26 2889.25,4602.26 K11.8@2893.94,4606.94
NetK12_7: K12.7 K12.8 | length 151.9
  Bottom Layer w15: K12.7@3493.94,4602.26 3639.25,4602.26 K12.8@3643.94,4606.94
NetK13_5: K13.5 K13.6 | length 236.3
  Bottom Layer w15: K13.5@1312.69,1306.96 1310.69,1308.96 1310.69,1428.49 1312.68,1430.49 K13.6@1312.68,1541.64
NetK13_7: K13.7 K13.8 | length 151.9
  Bottom Layer w15: K13.7@962.69,1602.27 1108,1602.27 K13.8@1112.69,1606.96
NetK14_5: K14.5 K14.6 | length 236.3
  Bottom Layer w15: K14.5@1875.19,556.96 1873.19,558.96 1873.19,678.5 1875.18,680.5 K14.6@1875.18,791.65
NetK14_7: K14.7 K14.8 | length 151.9
  Bottom Layer w15: K14.7@1525.19,852.27 1670.5,852.27 K14.8@1675.19,856.96
NetK15_5: K15.5 K15.6 | length 236.3
  Bottom Layer w15: K15.5@10593.95,4306.94 10591.95,4308.94 10591.95,4428.48 10593.95,4430.48 K15.6@10593.95,4541.63
NetK15_7: K15.7 K15.8 | length 151.9
  Bottom Layer w15: K15.7@10243.95,4602.26 10248.64,4606.94 K15.8@10393.95,4606.94
NetK16_5: K16.5 K16.6 | length 236.3
  Bottom Layer w15: K16.5@11343.95,4306.94 11341.95,4308.94 11341.95,4428.48 11343.95,4430.48 K16.6@11343.95,4541.63
NetK16_7: K16.7 K16.8 | length 151.9
  Bottom Layer w15: K16.7@10993.95,4602.26 10998.64,4606.94 K16.8@11143.95,4606.94
NetK17_5: K17.5 K17.6 | length 236.3
  Bottom Layer w15: K17.5@10875.17,2056.96 10873.17,2058.96 10873.17,2178.49 10875.17,2180.49 K17.6@10875.17,2291.64
NetK17_7: K17.7 K17.8 | length 151.9
  Bottom Layer w15: K17.7@10525.17,2352.27 10670.49,2352.27 K17.8@10675.17,2356.96
NetK18_5: K18.5 K18.6 | length 236.3
  Bottom Layer w15: K18.5@12843.95,2056.96 12843.95,2133.42 12841.95,2135.42 12841.95,2289.64 K18.6@12843.95,2291.64
NetK18_7: K18.7 K18.8 | length 151.9
  Bottom Layer w15: K18.7@12493.95,2352.27 12639.26,2352.27 K18.8@12643.95,2356.96
NetK19_5: K19.5 K19.6 | length 236.3
  Bottom Layer w15: K19.5@12843.95,3556.96 12841.95,3558.96 12841.95,3678.49 12843.95,3680.49 K19.6@12843.95,3791.64
NetK19_7: K19.7 K19.8 | length 151.9
  Bottom Layer w15: K19.7@12493.95,3852.27 12639.26,3852.27 K19.8@12643.95,3856.96
NetK20_5: K20.5 K20.6 | length 236.3
  Bottom Layer w15: K20.5@11343.95,556.96 11341.95,558.96 11341.95,678.5 11343.95,680.5 K20.6@11343.95,791.65
NetK20_7: K20.7 K20.8 | length 151.9
  Bottom Layer w15: K20.7@10993.95,852.27 11139.27,852.27 K20.8@11143.95,856.96
NetK21_7: K21.7 K21.8 | length 151.9
  Bottom Layer w15: K21.7@4243.88,4602.26 4389.2,4602.26 K21.8@4393.88,4606.94
NetK22_7: K22.7 K22.8 | length 151.9
  Bottom Layer w15: K22.7@4993.87,4602.26 5139.19,4602.26 K22.8@5143.87,4606.94
NetK23_7: K23.7 K23.8 | length 151.9
  Bottom Layer w15: K23.7@7993.95,4602.26 8139.26,4602.26 K23.8@8143.95,4606.94
NetK24_7: K24.7 K24.8 | length 151.9
  Bottom Layer w15: K24.7@8743.95,4602.26 8748.64,4606.94 K24.8@8893.95,4606.94
NetK25_5: K25.5 K25.6 | length 236.3
  Bottom Layer w15: K25.5@1031.44,2806.96 1029.44,2808.96 1029.44,2928.49 1031.43,2930.49 K25.6@1031.43,3041.64
NetK25_7: K25.7 K25.8 | length 151.9
  Bottom Layer w15: K25.7@681.44,3102.27 826.75,3102.27 K25.8@831.44,3106.96
NetK26_5: K26.5 K26.6 | length 236.3
  Bottom Layer w15: K26.5@2812.69,556.96 2812.69,633.42 2810.69,635.42 2810.69,789.65 K26.6@2812.69,791.65
NetK26_7: K26.7 K26.8 | length 151.9
  Bottom Layer w15: K26.7@2462.69,852.27 2608,852.27 K26.8@2612.69,856.96
NetK27_5: K27.5 K27.6 | length 236.3
  Bottom Layer w15: K27.5@1125.19,2056.96 1123.19,2058.96 1123.19,2178.49 1125.18,2180.49 K27.6@1125.18,2291.64
NetK27_7: K27.7 K27.8 | length 151.9
  Bottom Layer w15: K27.7@775.19,2352.27 920.5,2352.27 K27.8@925.19,2356.96
NetK28_5: K28.5 K28.6 | length 236.3
  Bottom Layer w15: K28.5@9375.17,556.96 9373.17,558.96 9373.17,678.5 9375.17,680.5 K28.6@9375.17,791.65
NetK28_7: K28.7 K28.8 | length 151.9
  Bottom Layer w15: K28.7@9025.17,852.27 9170.49,852.27 K28.8@9175.17,856.96
NetK29_5: K29.5 K29.6 | length 236.3
  Bottom Layer w15: K29.5@10968.95,3556.96 10966.95,3558.96 10966.95,3678.49 10968.95,3680.49 K29.6@10968.95,3791.64
NetK29_7: K29.7 K29.8 | length 151.9
  Bottom Layer w15: K29.7@10618.95,3852.27 10764.27,3852.27 K29.8@10768.95,3856.96
NetK30_5: K30.5 K30.6 | length 236.3
  Bottom Layer w15: K30.5@12843.95,2806.96 12841.95,2808.96 12841.95,2928.49 12843.95,2930.49 K30.6@12843.95,3041.64
NetK30_7: K30.7 K30.8 | length 151.9
  Bottom Layer w15: K30.7@12493.95,3102.27 12498.64,3106.96 K30.8@12643.95,3106.96
NetK31_5: K31.5 K31.6 | length 236.3
  Bottom Layer w15: K31.5@12093.95,1306.96 12091.95,1308.96 12091.95,1428.49 12093.95,1430.49 K31.6@12093.95,1541.64
NetK31_7: K31.7 K31.8 | length 151.9
  Bottom Layer w15: K31.7@11743.95,1602.27 11889.27,1602.27 K31.8@11893.95,1606.96
NetK32_5: K32.5 K32.6 | length 236.3
  Bottom Layer w15: K32.5@12093.95,556.96 12093.95,633.42 12091.95,635.42 12091.95,789.65 K32.6@12093.95,791.65
NetK32_7: K32.7 K32.8 | length 151.9
  Bottom Layer w15: K32.7@11743.95,852.27 11889.27,852.27 K32.8@11893.95,856.96
NetK33_7: K33.7 K33.8 | length 151.9
  Bottom Layer w15: K33.7@493.94,3852.27 639.25,3852.27 K33.8@643.94,3856.96
NetK34_7: K34.7 K34.8 | length 151.9
  Bottom Layer w15: K34.7@1243.94,3852.27 1389.25,3852.27 K34.8@1393.94,3856.96
NetK35_7: K35.7 K35.8 | length 151.9
  Bottom Layer w15: K35.7@1993.94,3852.27 2139.25,3852.27 K35.8@2143.94,3856.96
NetK36_7: K36.7 K36.8 | length 151.9
  Bottom Layer w15: K36.7@2743.94,3852.27 2889.25,3852.27 K36.8@2893.94,3856.96
NetK37_7: K37.7 K37.8 | length 151.9
  Bottom Layer w15: K37.7@3493.94,3852.27 3639.25,3852.27 K37.8@3643.94,3856.96
NetK38_7: K38.7 K38.8 | length 151.9
  Bottom Layer w15: K38.7@5743.95,4602.26 5889.26,4602.26 K38.8@5893.95,4606.94
NetK39_7: K39.7 K39.8 | length 151.9
  Bottom Layer w15: K39.7@6493.95,4602.26 6639.26,4602.26 K39.8@6643.95,4606.94
NetK40_7: K40.7 K40.8 | length 151.9
  Bottom Layer w15: K40.7@7243.95,4602.26 7389.26,4602.26 K40.8@7393.95,4606.94
NetK41_7: K41.7 K41.8 | length 151.9
  Bottom Layer w15: K41.7@9493.95,3852.27 9639.26,3852.27 K41.8@9643.95,3856.96
NetK42_7: K42.7 K42.8 | length 151.9
  Bottom Layer w15: K42.7@10806.43,3102.27 10951.75,3102.27 K42.8@10956.43,3106.96
NetK43_7: K43.7 K43.8 | length 151.9
  Bottom Layer w15: K43.7@1618.94,3102.27 1764.25,3102.27 K43.8@1768.94,3106.96
NetK44_7: K44.7 K44.8 | length 151.9
  Bottom Layer w15: K44.7@2368.94,3102.27 2514.25,3102.27 K44.8@2518.94,3106.96
NetK45_7: K45.7 K45.8 | length 151.9
  Bottom Layer w15: K45.7@3118.94,3102.27 3264.25,3102.27 K45.8@3268.94,3106.96
NetK46_7: K46.7 K46.8 | length 151.9
  Bottom Layer w15: K46.7@4243.88,3852.27 4389.2,3852.27 K46.8@4393.88,3856.96
NetK47_7: K47.7 K47.8 | length 151.9
  Bottom Layer w15: K47.7@4993.87,3852.27 5139.19,3852.27 K47.8@5143.87,3856.96
NetK48_7: K48.7 K48.8 | length 151.9
  Bottom Layer w15: K48.7@5743.95,3852.27 5889.26,3852.27 K48.8@5893.95,3856.96
NetK49_7: K49.7 K49.8 | length 151.9
  Bottom Layer w15: K49.7@6493.95,3852.27 6639.26,3852.27 K49.8@6643.95,3856.96
NetK50_7: K50.7 K50.8 | length 151.9
  Bottom Layer w15: K50.7@7243.95,3852.27 7389.26,3852.27 K50.8@7393.95,3856.96
NetK51_7: K51.7 K51.8 | length 151.9
  Bottom Layer w15: K51.7@7993.95,3852.27 8139.26,3852.27 K51.8@8143.95,3856.96
NetK52_7: K52.7 K52.8 | length 151.9
  Bottom Layer w15: K52.7@8743.95,3852.27 8889.26,3852.27 K52.8@8893.95,3856.96
NetK53_7: K53.7 K53.8 | length 151.9
  Bottom Layer w15: K53.7@3868.94,3102.27 4014.25,3102.27 K53.8@4018.94,3106.96
NetK54_7: K54.7 K54.8 | length 151.9
  Bottom Layer w15: K54.7@4618.95,3102.27 4764.26,3102.27 K54.8@4768.95,3106.96
NetK55_7: K55.7 K55.8 | length 151.9
  Bottom Layer w15: K55.7@5368.95,3102.27 5514.26,3102.27 K55.8@5518.95,3106.96
NetK56_7: K56.7 K56.8 | length 151.9
  Bottom Layer w15: K56.7@6118.95,3102.27 6264.26,3102.27 K56.8@6268.95,3106.96
NetK57_7: K57.7 K57.8 | length 151.9
  Bottom Layer w15: K57.7@6868.95,3102.27 7014.26,3102.27 K57.8@7018.95,3106.96
NetK58_7: K58.7 K58.8 | length 151.9
  Bottom Layer w15: K58.7@7618.95,3102.27 7764.26,3102.27 K58.8@7768.95,3106.96
NetK59_7: K59.7 K59.8 | length 151.9
  Bottom Layer w15: K59.7@8368.95,3102.27 8514.26,3102.27 K59.8@8518.95,3106.96
NetK60_7: K60.7 K60.8 | length 151.9
  Bottom Layer w15: K60.7@9118.95,3102.27 9264.26,3102.27 K60.8@9268.95,3106.96
NetK61_7: K61.7 K61.8 | length 151.9
  Bottom Layer w15: K61.7@9868.95,3102.27 9873.64,3106.96 K61.8@10018.95,3106.96
NetK62_7: K62.7 K62.8 | length 151.9
  Bottom Layer w15: K62.7@9306.43,2352.27 9451.75,2352.27 K62.8@9456.43,2356.96
NetK63_7: K63.7 K63.8 | length 151.9
  Bottom Layer w15: K63.7@1806.44,2352.27 1951.75,2352.27 K63.8@1956.44,2356.96
NetK64_7: K64.7 K64.8 | length 151.9
  Bottom Layer w15: K64.7@2556.44,2352.27 2701.75,2352.27 K64.8@2706.44,2356.96
NetK65_7: K65.7 K65.8 | length 151.9
  Bottom Layer w15: K65.7@3306.44,2352.27 3451.75,2352.27 K65.8@3456.44,2356.96
NetK66_7: K66.7 K66.8 | length 151.9
  Bottom Layer w15: K66.7@4056.44,2352.27 4201.75,2352.27 K66.8@4206.44,2356.96
NetK67_7: K67.7 K67.8 | length 151.9
  Bottom Layer w15: K67.7@4806.43,2352.27 4951.74,2352.27 K67.8@4956.43,2356.96
NetK68_7: K68.7 K68.8 | length 151.9
  Bottom Layer w15: K68.7@5556.43,2352.27 5701.74,2352.27 K68.8@5706.43,2356.96
NetK69_7: K69.7 K69.8 | length 151.9
  Bottom Layer w15: K69.7@6306.43,2352.27 6451.74,2352.27 K69.8@6456.43,2356.96
NetK70_7: K70.7 K70.8 | length 151.9
  Bottom Layer w15: K70.7@7056.43,2352.27 7201.74,2352.27 K70.8@7206.43,2356.96
NetK71_7: K71.7 K71.8 | length 151.9
  Bottom Layer w15: K71.7@8556.43,2352.27 8701.75,2352.27 K71.8@8706.43,2356.96
NetK72_7: K72.7 K72.8 | length 151.9
  Bottom Layer w15: K72.7@2181.44,1602.27 2326.75,1602.27 K72.8@2331.44,1606.96
NetK73_7: K73.7 K73.8 | length 151.9
  Bottom Layer w15: K73.7@2931.44,1602.27 3076.75,1602.27 K73.8@3081.44,1606.96
NetK74_7: K74.7 K74.8 | length 151.9
  Bottom Layer w15: K74.7@3681.44,1602.27 3826.75,1602.27 K74.8@3831.44,1606.96
NetK75_7: K75.7 K75.8 | length 151.9
  Bottom Layer w15: K75.7@4431.44,1602.27 4576.75,1602.27 K75.8@4581.44,1606.96
NetK76_7: K76.7 K76.8 | length 151.9
  Bottom Layer w15: K76.7@5181.43,1602.27 5326.74,1602.27 K76.8@5331.43,1606.96
NetK77_7: K77.7 K77.8 | length 151.9
  Bottom Layer w15: K77.7@5931.43,1602.27 6076.74,1602.27 K77.8@6081.43,1606.96